# KiCad board volume-mixer.kicad_pcb (continued)
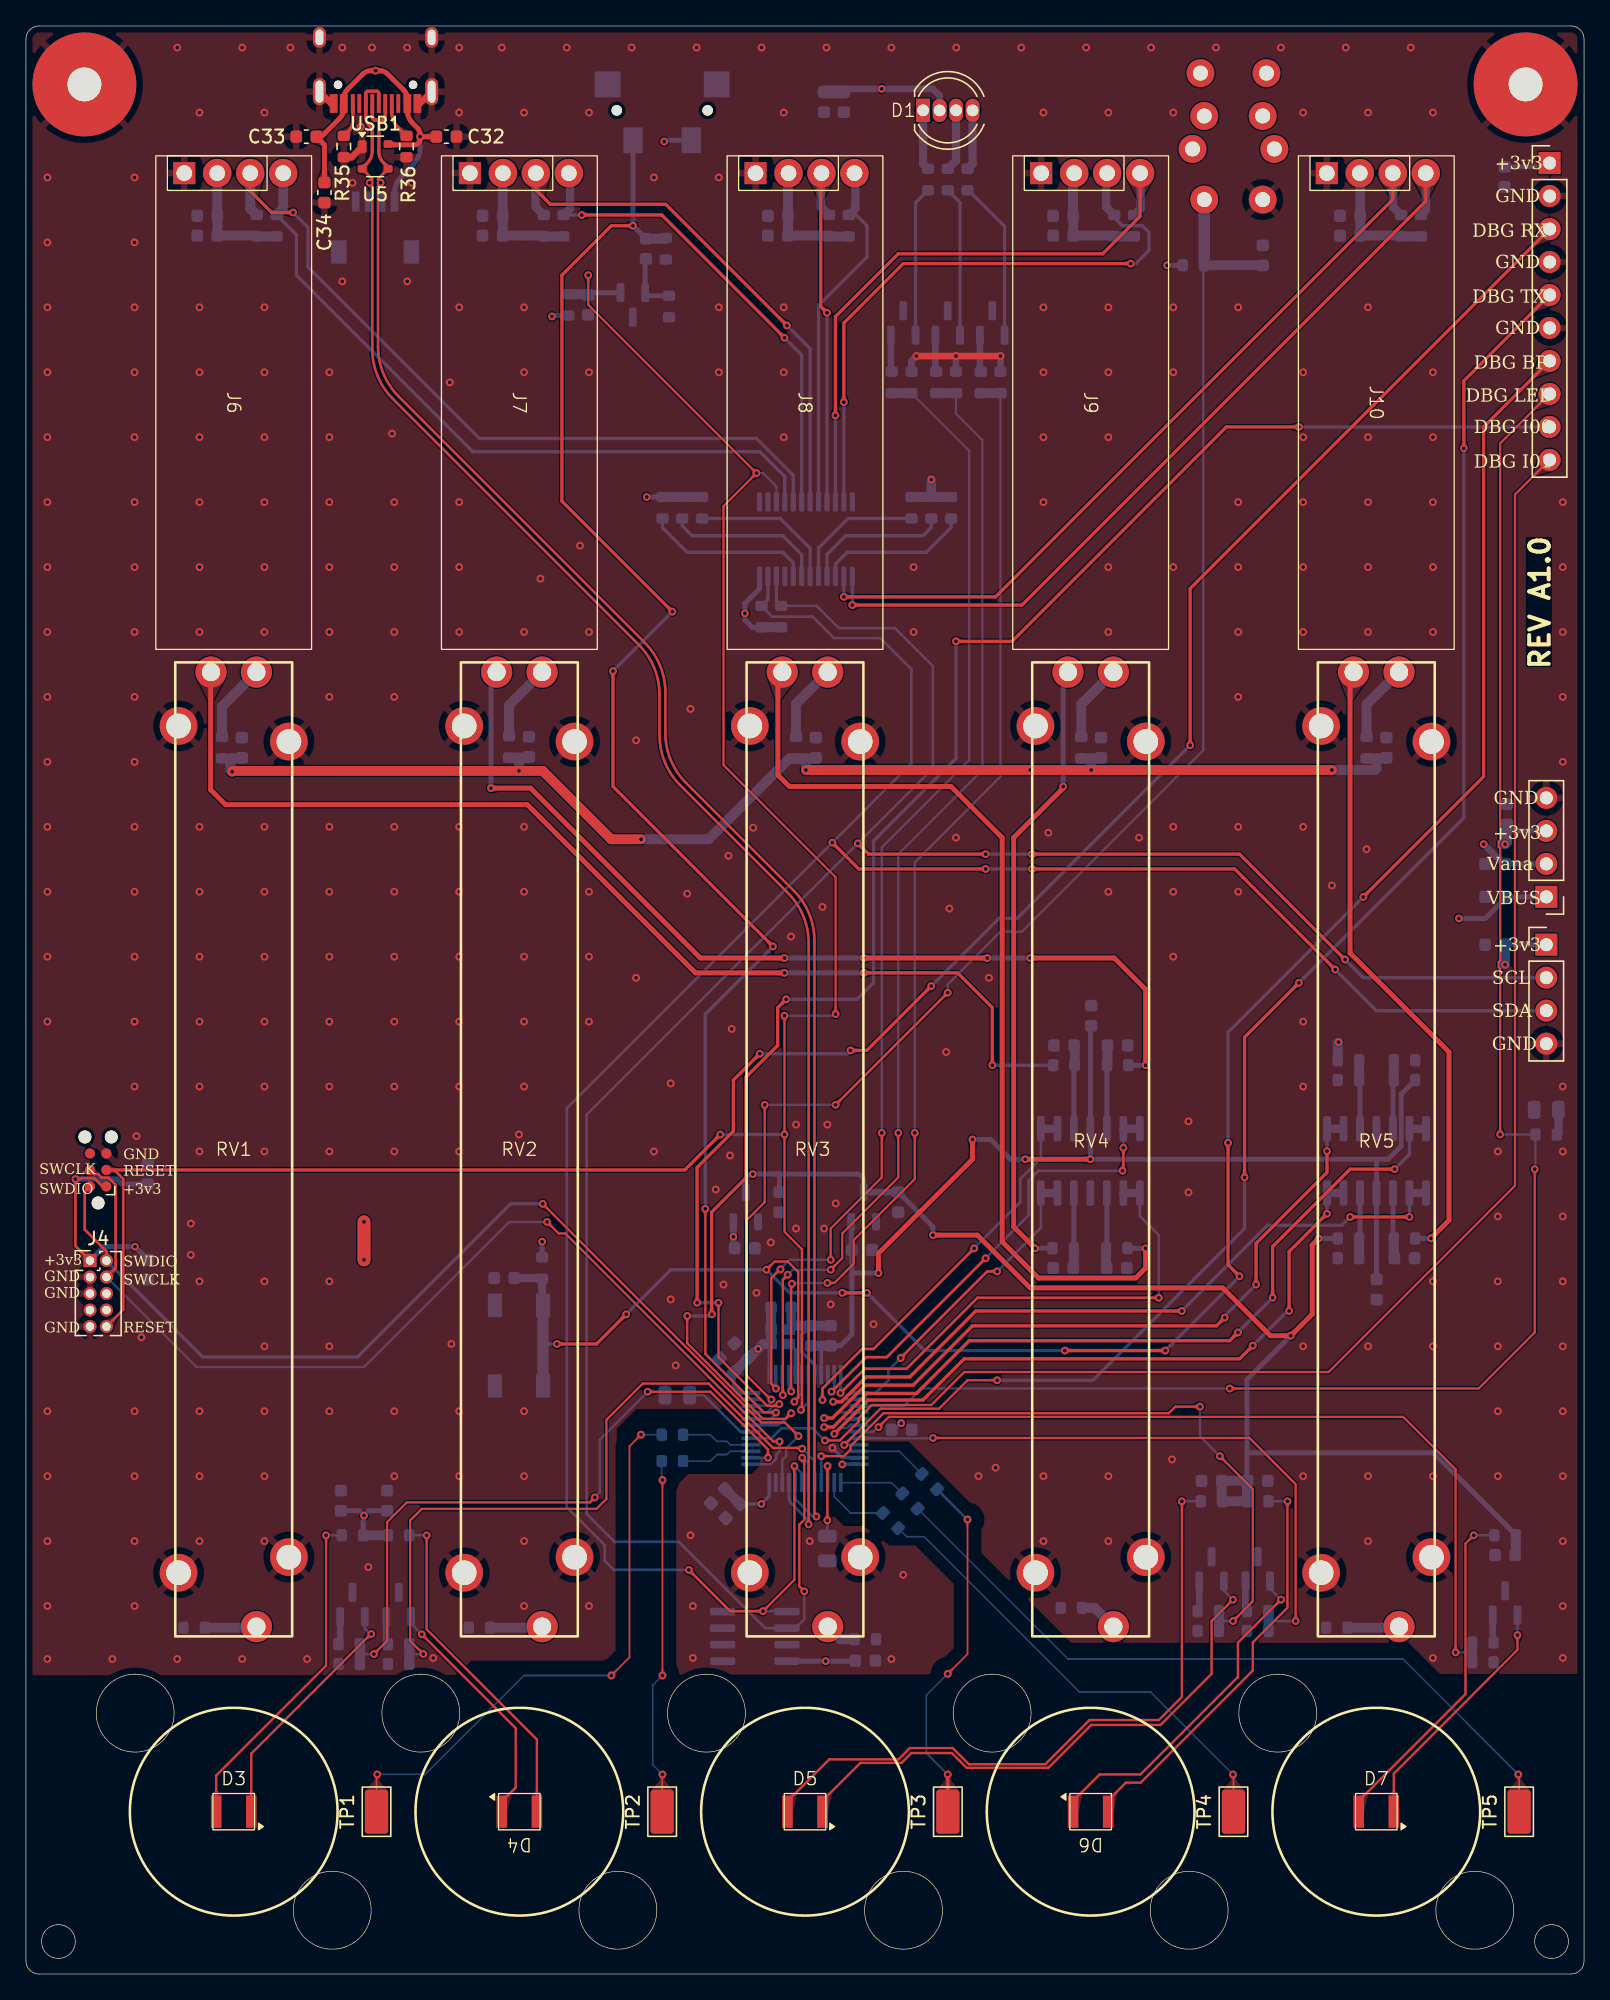
[diagram p0: board, top side]
## Footprints (pads in the part's own frame, mm; a bottom-side part is the same pattern mirrored in y, then rotated) (continued)
LED C516299
  rect 0.81x2.47 smd: 1(1.35,0) 2(-1.35,0)
led rgb C7371893
  oval 1.07x1.8 hole 0.9: 1(-0.635,0) 3(0.635,0) 4(1.905,0)
  rect 1.07x1.8 hole 0.9: 2(-1.905,0)
LED_0805_2012Metric
  rrect 0.975x1.4 smd: 1(-0.938,0) 2(0.938,0)
LQFP-48_7x7mm_P0.5mm
  rrect 1.475x0.3 smd: 1(-4.162,2.75) 2(-4.162,2.25) 3(-4.162,1.75) 4(-4.162,1.25) 5(-4.162,0.75) 6(-4.162,0.25) 7(-4.162,-0.25) 8(-4.162,-0.75) 9(-4.162,-1.25) 10(-4.162,-1.75) 11(-4.162,-2.25) 12(-4.162,-2.75) 25(4.162,-2.75) 26(4.162,-2.25) 27(4.162,-1.75) 28(4.162,-1.25) 29(4.162,-0.75) 30(4.162,-0.25) 31(4.162,0.25) 32(4.162,0.75) 33(4.162,1.25) 34(4.162,1.75) 35(4.162,2.25) 36(4.162,2.75)
  rrect 0.3x1.475 smd: 13(-2.75,-4.162) 14(-2.25,-4.162) 15(-1.75,-4.162) 16(-1.25,-4.162) 17(-0.75,-4.162) 18(-0.25,-4.162) 19(0.25,-4.162) 20(0.75,-4.162) 21(1.25,-4.162) 22(1.75,-4.162) 23(2.25,-4.162) 24(2.75,-4.162) 37(2.75,4.162) 38(2.25,4.162) 39(1.75,4.162) 40(1.25,4.162) 41(0.75,4.162) 42(0.25,4.162) 43(-0.25,4.162) 44(-0.75,4.162) 45(-1.25,4.162) 46(-1.75,4.162) 47(-2.25,4.162) 48(-2.75,4.162)
PinHeader_1x04_P2.54mm_Vertical
  rect 1.7x1.7 hole 1: 1(0,0)
  oval 1.7x1.7 hole 1: 2(0,-2.54) 3(0,-5.08) 4(0,-7.62)
PinHeader_1x10_P2.54mm_Vertical
  rect 1.7x1.7 hole 1: 1(0,0)
  oval 1.7x1.7 hole 1: 2(0,-2.54) 3(0,-5.08) 4(0,-7.62) 5(0,-10.16) 6(0,-12.7) 7(0,-15.24) 8(0,-17.78) 9(0,-20.32) 10(0,-22.86)
PinHeader_2x05_P1.27mm_Vertical
  rect 1x1 hole 0.65: 1(0,0)
  oval 1x1 hole 0.65: 2(1.27,0) 3(0,-1.27) 4(1.27,-1.27) 5(0,-2.54) 6(1.27,-2.54) 7(0,-3.81) 8(1.27,-3.81) 9(0,-5.08) 10(1.27,-5.08)
R_0603_1608Metric
  rrect 0.8x0.95 smd: 1(-0.825,0) 2(0.825,0)
Screen 0.91 I2C
  rect 1.7x1.7 hole 1.2: 1(0,-3.81)
  round 2.2 hole 1.2: 2(0,-1.27) 3(0,1.27) 4(0,3.81)
Slider Bourns PTA6043-2015CPB103
  round 2.4 hole 1.4: 1(-36.75,1.75) 2(-36.75,-1.75) 3(36.75,1.75)
  round 2.9 hole 1.9: M(-32.6,-4.25) M(-31.4,4.25) M(31.4,4.25) M(32.6,-4.25)
SOIC-8_3.9x4.9mm_P1.27mm
  rrect 1.95x0.6 smd: 1(-2.475,1.905) 2(-2.475,0.635) 3(-2.475,-0.635) 4(-2.475,-1.905) 5(2.475,-1.905) 6(2.475,-0.635) 7(2.475,0.635) 8(2.475,1.905)
SOIC-14_3.9x8.7mm_P1.27mm
  rrect 1.95x0.6 smd: 1(-2.475,3.81) 2(-2.475,2.54) 3(-2.475,1.27) 4(-2.475,0) 5(-2.475,-1.27) 6(-2.475,-2.54) 7(-2.475,-3.81) 8(2.475,-3.81) 9(2.475,-2.54) 10(2.475,-1.27) 11(2.475,0) 12(2.475,1.27) 13(2.475,2.54) 14(2.475,3.81)
SOT-23
  rrect 1.475x0.6 smd: 1(-0.938,0.95) 2(-0.938,-0.95) 3(0.938,0)
SOT-23-3
  rrect 1.325x0.6 smd: 1(-1.137,0.95) 2(-1.137,-0.95) 3(1.137,0)
SOT-143
  rrect 0.7x1 smd: 1(-1,0.75)
  rrect 0.7x0.6 smd: 2(-1,-0.95) 3(1,-0.95) 4(1,0.95)
SW_SPST_SKQG_WithStem
  rect 1.8x1.1 smd: 1(-3.1,1.85) 1(3.1,1.85) 2(-3.1,-1.85) 2(3.1,-1.85)
switch C501547
  round 0.8 hole 0.85 unplated: (-3.5,0) (3.5,0)
  rect 1.5x2 smd: 1(-2.25,2.3) 2(2.25,2.3)
  rect 2x2 smd: 3(-4.2,-2) 3(4.2,-2)
switch led C2848638
  round 2.15 hole 1.15: 1(-2.25,-1.57) 2(-2.25,4.87) 3(2.25,-1.57) 4(2.25,4.87) 5(-3.15,0.97) 6(3.15,0.97) 7(-2.54,-4.87) 8(2.54,-4.87)
Tag-Connect_TC2030-IDC-NL_2x03_P1.27mm_Vertical
  round 0.991 hole 0.991 unplated: (-2.54,0) (2.54,1.016) (2.54,-1.016)
  round 0.787 smd: 1(-1.27,-0.635) 2(-1.27,0.635) 3(0,-0.635) 4(0,0.635) 5(1.27,-0.635) 6(1.27,0.635)
TestPoint_Keystone_5015_Micro_Mini
  rrect 3.4x1.8 smd: 1(0,0)
TSSOP-24_4.4x7.8mm_P0.65mm
  rrect 1.475x0.4 smd: 1(-2.862,3.575) 2(-2.862,2.925) 3(-2.862,2.275) 4(-2.862,1.625) 5(-2.862,0.975) 6(-2.862,0.325) 7(-2.862,-0.325) 8(-2.862,-0.975) 9(-2.862,-1.625) 10(-2.862,-2.275) 11(-2.862,-2.925) 12(-2.862,-3.575) 13(2.862,-3.575) 14(2.862,-2.925) 15(2.862,-2.275) 16(2.862,-1.625) 17(2.862,-0.975) 18(2.862,-0.325) 19(2.862,0.325) 20(2.862,0.975) 21(2.862,1.625) 22(2.862,2.275) 23(2.862,2.925) 24(2.862,3.575)
Vis M2.5
  round 8 hole 2.6: 1(0,0)

## Nets
+3V3: C8.1 C9.1 C10.1 C11.1 C12.1 C15.1 C19.1 C20.1 C21.1 C26.1 C27.1 C29.1 C35.1 C36.1 C37.1 C38.1 C39.1 C40.1 C41.1 C42.1 C43.1 C44.1 C45.2 CON1.1 J1.3 J2.1 J3.1 J4.1 J6.2 J7.2 J8.2 J9.2 J10.2 R26.1 R27.1 R37.1 R38.1 R39.1 R40.1 R41.1 R42.1 R43.1 R44.1 R45.1 R46.1 R47.1 R48.1 R49.1 R50.1 R51.1 R52.1 R53.1 R54.1 R55.1 R65.1 SW1.2 U1.1 U1.24 U1.36 U1.48 U2.8 U3.2 U6.24 Y1.1 Y1.4
GND: C1.2 C2.2 C3.2 C4.2 C5.2 C6.2 C7.2 C8.2 C9.2 C10.2 C11.2 C12.2 C13.2 C14.2 C15.2 C16.2 C17.2 C18.2 C19.2 C20.2 C21.2 C22.2 C24.2 C25.2 C26.2 C27.2 C28.2 C29.2 C30.2 C31.2 C32.2 C33.2 C34.2 C35.2 C36.2 C37.2 C38.2 C39.2 C40.2 C41.2 C42.2 C43.2 C44.2 C45.1 C46.2 C47.2 C48.2 C49.2 C50.2 C51.2 C52.2 C53.2 C54.2 C55.2 C56.2 C57.2 C58.2 CON1.5 D2.1 H1.1 H2.1 J1.4 J2.2 J2.4 J2.6 J3.4 J4.3 J4.5 J4.9 J5.4 J6.1 J7.1 J8.1 J9.1 J10.1 Q1.3 Q2.3 Q3.3 Q4.3 Q5.3 Q6.3 Q7.3 Q8.3 Q9.3 R10.1 R12.1 R14.1 R16.1 R18.1 R23.1 R24.1 R25.1 R28.2 R29.2 R35.2 R36.2 R58.1 R61.1 R63.2 R67.2 R68.1 R70.2 R73.1 R76.1 RV1.M RV2.M RV3.M RV4.M RV5.M SW1.3 SW2.1 SW3.4 U1.8 U1.23 U1.35 U1.47 U2.1 U2.2 U2.3 U2.4 U2.7 U3.1 U4.1 U5.1 U6.1 U6.2 U6.12 U6.21 U7.11 U8.11 USB1.1 USB1.12 USB1.13 Y1.2
VBUS: C1.1 C2.1 C3.1 C4.1 C5.1 C6.1 C7.1 C16.1 C28.1 C30.1 C32.1 C33.1 C34.1 D1.1 J1.1 J5.1 R1.1 R2.1 R3.1 R4.1 R5.1 R62.1 U3.3 U4.3 U5.4 USB1.2 USB1.11
/BLUE: R22.1 R25.2 U1.4
/BOOT: C23.1 R28.1 SW1.1 U1.44
/CapSense0: C18.1 U1.42
/CapSense1: C24.1 U1.27
/GREEN: R21.1 R24.2 U1.3
/OSC-OUT: U1.5 Y1.3
/RED: R20.1 R23.2 U1.2
/RESET: C25.1 CON1.3 J4.10 Q9.1 R27.2 U1.7 U6.3
/SC0: J6.3 R41.2 U6.5
/SC1: J7.3 R43.2 U6.7
/SC2: J8.3 R45.2 U6.9
/SC3: J9.3 R47.2 U6.11
/SC4: J10.3 R49.2 U6.14
/SC5: R51.2 U6.16
/SC6: R53.2 U6.18
/SC7: R55.2 U6.20
/SCL: J3.2 R39.2 U1.30 U2.6 U6.22
/SD0: J6.4 R40.2 U6.4
/SD1: J7.4 R42.2 U6.6
/SD2: J8.4 R44.2 U6.8
/SD3: J9.4 R46.2 U6.10
/SD4: J10.4 R48.2 U6.13
/SD5: R50.2 U6.15
/SD6: R52.2 U6.17
/SD7: R54.2 U6.19
/SDA: J3.3 R38.2 U1.31 U2.5 U6.23
/SliderSense0: R30.1 TP1.1
/SliderSense1: R31.1 TP2.1
/SliderSense2: R32.1 TP3.1
/SliderSense3: R33.1 TP4.1
/SliderSense4: R34.1 TP5.1
/SWCLK: CON1.4 J4.4 U1.37
/SWDIO: CON1.2 J4.2 U1.34
D+: J5.3 U1.33 U5.2 USB1.6 USB1.8
D-: J5.2 U1.32 U5.3 USB1.5 USB1.7
DBG BP: C22.1 J2.7 R26.2 SW2.2 U1.6
DBG IO0: J2.9 U1.43
DBG IO1: J2.10 U1.41
DBG LED: J2.8 R6.2 U1.15
DBG RX: J2.3 U1.45
DBG TX: J2.5 U1.21
Mute0Led: R10.2 R11.1 U1.38
Mute1Led: R12.2 R13.1 U1.29
Mute2Led: R14.2 R15.1 U1.28
Mute3Led: R16.2 R17.1 U1.20
Mute4Led: R18.2 R19.1 U1.19
PowerOnBP: C46.1 R37.2 SW3.2 U1.46
Slider0: U1.10 U7.1 U7.2
Slider1: U1.11 U7.6 U7.7
Slider2: U1.12 U7.8 U7.9
Slider3: U1.13 U7.13 U7.14
Slider4: U1.14 U8.1 U8.2
SLIDER_0_mute : R30.2 U1.40
SLIDER_1_mute : R31.2 U1.39
SLIDER_2_mute : R32.2 U1.22
SLIDER_3_mute : R33.2 U1.26
SLIDER_4_mute : R34.2 U1.25
Vana: C13.1 C14.1 C17.1 C31.1 C47.1 C49.1 C50.1 C51.1 C53.1 C55.1 C57.1 J1.2 R56.2 R59.2 R64.2 R69.1 R71.2 R74.2 U1.9 U4.2 U7.4 U8.4
Vref ana: U1.17 U8.13 U8.14
Vref digi: U1.16 U8.8 U8.9
Vref USB: U1.18 U8.6 U8.7
Net-(D1-BK): D1.4 R9.2
Net-(D1-GK): D1.3 R8.2
Net-(D1-RK): D1.2 R7.2
Net-(D2-A): D2.2 R6.1
Net-(D3-A): D3.2 R1.2
Net-(D3-K): D3.1 Q1.1
Net-(D4-A): D4.2 R2.2
Net-(D4-K): D4.1 Q2.1
Net-(D5-A): D5.2 R3.2
Net-(D5-K): D5.1 Q3.1
Net-(D6-A): D6.2 R4.2
Net-(D6-K): D6.1 Q4.1
Net-(D7-A): D7.2 R5.2
Net-(D7-K): D7.1 Q5.1
Net-(Q1-G): Q1.2 R11.2
Net-(Q2-G): Q2.2 R13.2
Net-(Q3-G): Q3.2 R15.2
Net-(Q4-G): Q4.2 R17.2
Net-(Q5-G): Q5.2 R19.2
Net-(Q6-D): Q6.1 R7.1
Net-(Q6-G): Q6.2 R20.2
Net-(Q7-D): Q7.1 R8.1
Net-(Q7-G): Q7.2 R21.2
Net-(Q8-D): Q8.1 R9.1
Net-(Q8-G): Q8.2 R22.2
Net-(Q9-G): C23.2 Q9.2 R29.1
Net-(R56-Pad1): R56.1 RV1.1
Net-(R57-Pad1): R57.1 RV1.2
Net-(R58-Pad2): R58.2 RV1.3
Net-(R59-Pad1): R59.1 RV2.1
Net-(R60-Pad1): R60.1 RV2.2
Net-(R61-Pad2): R61.2 RV2.3
Net-(R64-Pad1): R64.1 RV3.1
Net-(R66-Pad1): R66.1 RV3.2
Net-(R68-Pad2): R68.2 RV3.3
Net-(R71-Pad1): R71.1 RV4.1
Net-(R72-Pad1): R72.1 RV4.2
Net-(R73-Pad2): R73.2 RV4.3
Net-(R74-Pad1): R74.1 RV5.1
Net-(R75-Pad1): R75.1 RV5.2
Net-(R76-Pad2): R76.2 RV5.3
Net-(U7A-+): C48.1 R57.2 U7.3
Net-(U7B-+): C52.1 R60.2 U7.5
Net-(U7C-+): C54.1 R66.2 U7.10
Net-(U7D-+): C56.1 R72.2 U7.12
Net-(U8A-+): C58.1 R75.2 U8.3
Net-(U8B-+): R62.2 R63.1 U8.5
Net-(U8C-+): R65.2 R67.1 U8.10
Net-(U8D-+): R69.2 R70.1 U8.12
Net-(USB1-CC1): R36.1 USB1.4
Net-(USB1-CC2): R35.1 USB1.10

Pads without a net: CON1 6; J4 6 7 8; SW3 1 3 5 6 7 8; USB1 3 9

## Via types
v1: diameter 0.6, hole 0.3, Top to Bottom, 525 vias

## Routing (per net, layer and track width the routed paths; a pad name or vN(x,y) marks a point on that pad's centre or on a via; arc(x,y) is an arc through that point)
+3V3: length 542.9
  Top w0.203: J4.1 3.81,56.06 v1(3.81,61.21) 4.19,61.21 4.27,61.29 5.26,61.29 5.91,60.64 CON1.1
  In2.Cu w0.381: v1(8.39,56.01) 8.78,56.39 v1(39.75,56.39) 54.1,56.39 v1(54.48,56.77) 54.48,50.04 v1(56.39,48.13) 56.39,36.45 v1(56.64,36.19) 59.82,36.19 v1(62.86,39.24) 64.9,41.28 66.17,41.28 67.3,42.41 v1(67.41,42.41)
  In2.Cu w0.762: 113.92,131.44 v1(113.92,87) v1(113.92,77.72) 107.06,77.72 v1(101.09,71.75) ; 113.92,131.44 113.92,137.8 115.57,139.45 J2.1 ; 113.92,131.44 113.79,131.57 v1(87.88,131.57) 87,131.57 80.73,137.84 J9.2 ; 51.94,108.2 47.82,112.33 v1(47.82,113.73) 40.51,121.03 v1(40.51,127.63) 34.42,133.73 ; 51.94,108.2 v1(55.37,104.78) ; 51.94,108.2 58.8,115.06 v1(69.72,115.06)
  In2.Cu w1.016: J10.2 102.73,139.69 103.89,140.84 111.66,140.84 113,139.5 115.52,139.5 115.57,139.45 ; J9.2 80.73,140 79.63,141.1 60.33,141.1 58.73,139.5 J8.2 58.73,140.03 57.66,141.1 v1(49.15,141.1) 38.61,141.1 36.73,139.22 J7.2 36.73,136.04 34.42,133.73 17.27,133.73 14.73,136.27 J6.2 ; v1(56.64,36.19) 59.03,33.8 59.03,26.66 v1(61.59,24.09) ; v1(67.41,42.41) 76.31,42.41 101.09,67.2 v1(101.09,71.75)
  Bottom w0.203: C10.1 66.91,41.91 67.41,42.41 v1(67.41,42.41)
  Bottom w0.254: U1.48 55.07,44.75 54.52,45.3 C11.1 ; 54.99,36.19 v1(56.64,36.19) 57.25,36.8 U1.36 ; U1.1 57.25,48.36 Y1.4 ; v1(62.86,39.24) 62.87,39.25 U1.24
  Bottom w0.381: J4.1 6,56.01 v1(8.39,56.01) C26.1 ; C20.1 117.06,139.16 J2.1 ; v1(47.82,113.73) R55.1 ; C21.1 63.83,24.09 v1(61.59,24.09) U2.8 ; v1(3.81,61.21) 6.98,61.21 7.37,60.83 9.36,60.83 C15.1 ; SW1.2 49.25,141.2 v1(49.15,141.1) ; 39.75,55.18 v1(39.75,56.39) ; R37.1 v1(87.88,131.57) ; R38.1 55.94,103.7 55.37,104.27 v1(55.37,104.78) 55.37,105.54 56.5,106.66 U6.24 ; v1(40.51,127.63) 40.58,127.7 R27.1 ; C27.1 J3.1 ; C19.1 114.54,88.02 J1.3
  Bottom w0.508: C29.1 54.48,55.98 v1(54.48,56.77) U3.2
  Bottom w0.762: J7.2 36.72,138.66 C37.1 C38.1 39.81,133.86 39.88,133.8 41.4,133.8 ; C19.1 114.05,87.12 v1(113.92,87) ; 85.34,133.8 83.82,133.8 83.76,133.86 C42.1 C41.1 80.64,135.4 80.64,138.59 J9.2 ; R52.1 R50.1 ; C27.1 113.93,77.74 v1(113.92,77.72) ; C9.1 54.99,36.19 ; 101.03,70.36 101.03,71.69 v1(101.09,71.75) ; R55.1 R53.1 ; 107.44,133.8 105.92,133.8 105.85,133.86 C44.1 C43.1 102.76,138.64 J10.2 ; J8.2 58.69,138.63 C39.1 C40.1 61.79,133.86 61.85,133.8 63.37,133.8 ; J6.2 14.73,135.4 C35.1 C36.1 17.72,133.86 17.78,133.8 19.3,133.8 ; 57.39,51.31 57.39,49.62 Y1.1 Y1.4 56.77,48.51 v1(56.39,48.13) 55.71,47.46 C12.1 C11.1 ; R38.1 R39.1 ; R51.1 v1(69.72,115.06)
GND: length 27.7
  Top w0.508: USB1.13 30.33,144.03 USB1.1 ; v1(68.58,124.59) v1(71.63,124.59) v1(75.06,124.59) ; R35.2 25.08,139.89 U5.1 ; USB1.12 23.52,144.03 USB1.13
  Bottom w0.254: U1.8 60.75,46.9 59.75,47.9 59.75,49.22 C14.2 ; U1.23 64.14,39.77 62.84,39.77 v1(62.1,40.51)
  Bottom w0.508: v1(75.06,124.59) R25.1 ; v1(71.63,124.59) R24.1 ; v1(68.58,124.59) 68.2,124.21 R23.1 ; 30.94,144.64 USB1.13 ; USB1.13 22.9,144.64
  Bottom w0.762: C45.1 58.94,49.75 Y1.2 59.11,49.92 C14.2 C13.2
  vias: v1(1.65,138.34) v1(1.65,133.34) v1(1.65,128.34) v1(1.65,123.34) v1(1.65,118.34) v1(1.65,113.34) v1(1.65,108.34) v1(1.65,103.34) v1(1.65,98.34) v1(1.65,93.34) v1(1.65,88.34) v1(1.65,83.34) v1(1.65,78.34) v1(1.65,73.34) v1(1.65,43.34) v1(1.65,38.34) v1(1.65,33.34) v1(1.65,28.34) v1(1.65,24.26) v1(6.65,24.26) v1(8.36,138.34) v1(8.36,133.34) v1(8.36,128.34) v1(8.36,123.34) v1(8.36,118.34) v1(8.36,113.34) v1(8.36,108.34) v1(8.36,103.34) v1(8.36,98.34) v1(8.36,93.34) v1(8.36,88.34) v1(8.36,83.34) v1(8.36,78.34) v1(8.36,73.34) v1(8.36,68.34) v1(8.36,43.34) v1(8.36,38.34) v1(8.36,33.34) v1(8.36,28.34) v1(8.51,64.52) v1(8.89,49.02) v1(11.65,148.34) v1(11.65,24.26) v1(12.7,57.78) v1(12.7,55.37) v1(13.36,143.34) v1(13.36,128.34) v1(13.36,123.34) v1(13.36,118.34) v1(13.36,113.34) v1(13.36,108.34) v1(13.36,103.34) v1(13.36,88.34) v1(13.36,83.34) v1(13.36,78.34) v1(13.36,73.34) v1(13.36,68.34) v1(13.36,63.34) v1(13.36,53.34) v1(13.36,43.34) v1(13.36,38.34) v1(13.36,33.34) v1(16.65,148.34) v1(16.65,24.26) v1(18.36,143.34) v1(18.36,128.34) v1(18.36,123.34) v1(18.36,118.34) v1(18.36,113.34) v1(18.36,108.34) v1(18.36,103.34) v1(18.36,88.34) v1(18.36,83.34) v1(18.36,78.34) v1(18.36,73.34) v1(18.36,68.34) v1(18.36,63.34) v1(18.36,53.34) v1(18.36,48.34) v1(18.36,43.34) v1(18.36,38.34) v1(18.36,33.34) v1(20.36,148.34) v1(21.65,24.26) v1(23.36,123.34) v1(23.36,118.34) v1(23.36,113.34) v1(23.36,108.34) v1(23.36,103.34) v1(23.36,98.34) v1(23.36,88.34) v1(23.36,83.34) v1(23.36,78.34) v1(23.36,73.34) v1(23.36,68.34) v1(23.36,63.34) v1(23.36,53.34) v1(23.36,48.34) v1(23.36,43.34) v1(24.36,148.34) v1(24.36,130.34) v1(25.15,137.92) v1(25.78,142.24) v1(26.36,31.34) v1(26.65,148.34) v1(28.19,118.62) v1(28.36,113.34) v1(28.36,108.34) v1(28.36,103.34) v1(28.36,98.34) v1(28.36,88.34) v1(28.36,83.34) v1(28.36,78.34) v1(28.36,73.34) v1(28.36,68.34) v1(28.36,63.34) v1(28.36,43.34) v1(28.36,38.34) v1(29.36,148.34) v1(29.36,130.34) v1(29.72,137.92) v1(31.36,24.34) v1(32.64,122.56) v1(32.77,48.51) v1(33.36,148.34) v1(33.36,143.34) v1(33.36,128.34) v1(33.36,113.34) v1(33.36,108.34) v1(33.36,103.34) v1(33.36,88.34) v1(33.36,83.34) v1(33.36,78.34) v1(33.36,73.34) v1(33.36,68.34) v1(33.36,63.34) v1(33.36,43.34) v1(33.36,38.34) v1(36.65,148.34) v1(37.97,64.64) v1(38.36,143.34) v1(38.36,128.34) v1(38.36,123.34) v1(38.36,103.34) v1(38.36,88.34) v1(38.36,83.34) v1(38.36,78.34) v1(38.36,73.34) v1(38.36,68.34) v1(38.36,43.34) v1(38.36,38.34) v1(38.36,33.34) v1(38.36,28.34) v1(39.62,107.44) v1(41.65,148.34) v1(42.67,109.98) v1(43.36,143.34) v1(43.36,123.34) v1(43.36,103.34) v1(43.36,83.34) v1(43.36,78.34) v1(43.36,73.34) v1(43.36,28.34) v1(46.65,148.34) v1(46.99,95) v1(46.99,76.71) v1(48.36,138.34) v1(48.36,63.34) v1(49.66,68.58) v1(49.66,51.94) v1(50.04,46.86) v1(50.93,83.19) v1(51.18,97.41) v1(51.18,33.78) v1(51.36,28.34) v1(51.36,24.34) v1(51.65,148.34) v1(53.13,60.41) v1(53.36,138.34) v1(53.36,128.34) v1(53.36,123.34) v1(53.72,53.09) v1(54.1,86.11) v1(54.22,63.03) v1(54.36,72.77) v1(56.01,88.27) v1(56.26,52.45) v1(56.65,148.34) v1(57.36,56.34) v1(58.36,143.34) v1(58.36,128.34) v1(58.36,123.34) v1(58.36,118.34) v1(58.93,79.88) v1(59.31,65.41) v1(59.31,57.4) v1(60.36,33.34) v1(61.34,82.17) v1(61.47,57.4) v1(61.65,148.34) v1(61.72,65.41) v1(61.98,51.56) v1(62.36,59.34) v1(65.28,50.04) v1(66.65,148.34) v1(66.65,24.26) v1(67.56,30.73) v1(68.36,108.34) v1(68.36,103.34) v1(70.87,70.99) v1(71.12,82.04) v1(71.63,87.5) v1(71.65,148.34) v1(73.36,38.34) v1(74.17,76.71) v1(74.68,38.99) v1(76.65,148.34) v1(78.36,143.34) v1(78.36,128.34) v1(78.36,123.34) v1(78.36,118.34) v1(78.36,113.34) v1(78.36,38.34) v1(78.36,33.34) v1(78.74,87.88) v1(81.65,148.34) v1(83.36,143.34) v1(83.36,128.34) v1(83.36,123.34) v1(83.36,118.34) v1(83.36,108.34) v1(83.36,103.34) v1(83.36,83.34) v1(83.36,38.34) v1(83.36,33.34) v1(85.72,87.5) v1(86.65,148.34) v1(88.26,39.62) v1(88.36,143.34) v1(88.36,128.34) v1(88.36,123.34) v1(88.36,108.34) v1(88.36,88.34) v1(88.36,83.34) v1(88.36,78.34) v1(89.53,65.66) v1(89.53,60.2) v1(91.65,148.34) v1(93.36,128.34) v1(93.36,113.34) v1(93.36,108.34) v1(93.36,103.34) v1(93.36,98.34) v1(93.36,88.34) v1(93.36,83.34) v1(96.65,148.34) v1(98.36,143.34) v1(98.36,123.34) v1(98.36,118.34) v1(98.36,113.34) v1(98.36,108.34) v1(98.36,103.34) v1(98.36,88.34) v1(98.36,73.34) v1(98.36,68.34) v1(98.36,48.34) v1(98.36,38.34) v1(100.58,83.82) v1(101.65,148.34) v1(103.25,86.61) v1(103.36,143.34) v1(103.36,128.34) v1(103.36,118.34) v1(103.36,113.34) v1(103.36,108.34) v1(103.36,103.34) v1(103.36,48.34) v1(103.36,38.34) v1(103.36,33.34) v1(106.65,148.34) v1(108.36,143.34) v1(108.36,123.34) v1(108.36,118.34) v1(108.36,113.34) v1(108.36,108.34) v1(108.36,103.34) v1(108.36,53.34) v1(108.36,48.34) v1(108.36,38.34) v1(108.36,24.34) v1(113.36,63.34) v1(113.36,58.34) v1(113.36,53.34) v1(113.36,48.34) v1(113.36,43.34) v1(113.36,38.34) v1(118.36,113.34) v1(118.36,108.34) v1(118.36,103.34) v1(118.36,98.34) v1(118.36,93.34) v1(118.36,68.34) v1(118.36,63.34) v1(118.36,58.34) v1(118.36,53.34) v1(118.36,48.34) v1(118.36,43.34) v1(118.36,38.34) v1(118.36,33.34) v1(118.36,28.34) v1(118.36,24.34)
VBUS: length 448.4
  Top w0.381: v1(30.35,141.48) 30.35,141.71 arc(30.31,141.92) 30.19,142.11 29.77,142.53 arc(29.48,142.96) 29.37,143.47 USB1.2 29.37,144.41 arc(29.3,144.76) 29.11,145.05 27.84,146.32 arc(27.58,146.5) 27.26,146.56 v1(26.92,146.56) 26.56,146.56 arc(26.23,146.49) 25.95,146.3 24.76,145.11 arc(24.55,144.8) 24.47,144.43 USB1.11 24.47,143.61 arc(24.4,143.23) 24.18,142.9 22.9,141.62 arc(22.74,141.51) 22.56,141.48 22.36,141.48 22.99,140.86 C34.1 ; v1(30.35,141.48) C32.1 ; v1(30.35,141.48) 30.35,141.27 arc(30.32,141.11) 30.23,140.97 arc(30.09,140.88) 29.93,140.85 27.99,140.85 arc(27.95,140.86) 27.92,140.88 U5.4 ; v1(99.57,56.64) 99.06,56.13 99.06,50.8 v1(97.41,49.15) 95.85,49.15 92.17,52.83 77.34,52.83 73.28,56.9 v1(69.85,56.9)
  Top w1.016: v1(26.03,54.99) v1(26.03,57.91)
  In2.Cu w0.508: v1(26.92,146.56) 64.52,146.56 v1(65.91,145.16)
  In2.Cu w1.016: v1(26.92,146.56) 26.42,147.07 14.57,147.07 5.46,137.96 5.46,72.64 2.03,69.22 2.03,48.64 4.32,46.35 11.94,46.35 22.99,35.31 v1(26.03,35.31) v1(26.03,54.99) ; v1(69.85,56.9) 69.85,57.28 93.85,81.28 v1(110.36,81.28) ; v1(55.98,61.59) 29.72,61.59 v1(26.03,57.91)
  Bottom w0.381: R5.1 114.74,33.81 108.43,40.13 94.04,40.13 ; 58.04,61.53 C28.1 ; 58.04,61.53 arc(58.02,61.58) 57.98,61.59 ; 58.04,61.53 arc(58.06,61.58) 58.1,61.59 ; U4.3 64.52,61.05 arc(64.47,61.26) 64.36,61.44 arc(64.18,61.55) 63.97,61.59 58.1,61.59 ; J5.1 28.39,137.17 arc(28.52,137.81) 28.88,138.36 29.77,139.24 arc(30.2,139.89) 30.35,140.65 v1(30.35,141.48) ; J1.1 C16.1 113.93,82.82 112.39,81.28 v1(110.36,81.28) ; C6.1 94.04,38.02 94.04,45.78 v1(97.41,49.15) ; R1.1 25.97,35.2 arc(25.98,35.24) 26,35.27 v1(26.03,35.31) ; 57.98,61.59 v1(55.98,61.59) arc(55.77,61.55) 55.59,61.44 arc(55.47,61.26) 55.43,61.05 U3.3 ; 57.98,61.59 58.1,61.59 ; v1(26.03,35.31) 26.4,35.67 C4.1 ; v1(26.03,35.31) 25.67,35.67 C3.1 ; C30.1 69.85,57.54 v1(69.85,56.9) ; v1(99.57,56.64) 101.03,56.64
  Bottom w0.508: U4.3 64.53,60.21 C30.1 ; D1.1 70.36,144.65 69.85,145.16 v1(65.91,145.16) 63.23,145.16 C1.1
  Bottom w0.762: C7.1 114.74,32.31 R5.1 ; R1.1 R2.1 ; R4.1 94.04,37.92 C6.1 C5.1 92.09,36.45 R3.1 R4.1
  Bottom w1.016: C2.1 C1.1
/BLUE: length 88.3
  Top w0.178: v1(58.99,53.15) 58.93,53.09 58.93,44.87 v1(58.93,44.86) ; v1(68.45,64.77) 68.45,61.21 63.75,56.52 63.75,54.71 62.26,53.21 v1(61.72,53.21)
  Bottom w0.178: v1(61.72,53.21) 59.05,53.21 v1(58.99,53.15) ; v1(58.93,44.86) 58.75,45.04 U1.4 ; R25.2 75.06,92.2 68.45,85.6 v1(68.45,64.77)
  Bottom w0.762: R22.1 R25.2
/BOOT: length 121.8
  Top w0.178: v1(52.32,58.93) 52.32,47.75 56.83,43.25 57.75,43.25 v1(57.77,43.23)
  Top w0.254: v1(45.21,100.33) 45.21,91.44 v1(57.53,79.12) ; v1(49.78,104.9) 41.27,113.41 41.27,130.81 45.08,134.62 v1(46.75,134.62)
  Bottom w0.178: v1(57.77,43.23) 57.77,43.16 57.36,42.75 U1.44
  Bottom w0.254: v1(57.53,79.12) 52.32,73.91 v1(52.32,58.93) ; v1(49.78,104.9) v1(45.21,100.33)
  Bottom w0.381: C23.1 v1(46.75,134.62) SW1.1
  Bottom w0.762: R28.1 49.23,133.62 C23.1
/CapSense0: length 5.9
  Bottom w0.2: C18.1 52.2,44.58 55.02,41.75 U1.42
/CapSense1: length 6.9
  Top w0.178: v1(61.72,34.93) 61.72,39.1 v1(61.74,39.12)
  Bottom w0.178: U1.27 61.75,39.1 v1(61.74,39.12) ; 61.72,33.67 61.85,33.54
  Bottom w0.2: v1(61.72,34.93) C24.1
/GREEN: length 89.2
  Top w0.178: v1(67.18,64.77) 67.18,61.34 62.86,57.02 62.86,55.12 v1(61.98,54.23) ; v1(58.29,44.58) 58.29,53.47 v1(58.67,53.85)
  Bottom w0.178: v1(67.18,64.77) 67.18,86.23 73.66,92.71 73.66,118.11 71.63,120.14 R24.2 ; v1(61.98,54.23) 59.05,54.23 v1(58.67,53.85) ; v1(58.29,44.58) 58.25,44.62 U1.3
  Bottom w0.762: R21.1 R24.2
/OSC-OUT: length 2.5
  Bottom w0.254: Y1.3 59.25,48.06 U1.5
/RED: length 89.4
  Top w0.178: v1(58.11,54.27) 58.08,54.27 57.4,53.59 57.4,45.44 v1(57.76,45.09) ; v1(61.98,54.99) 61.98,57.4 65.91,61.34 v1(65.91,64.77)
  Bottom w0.178: U1.2 57.75,45.3 57.76,45.29 v1(57.76,45.09) ; v1(61.98,54.99) 58.8,54.99 58.11,54.3 v1(58.11,54.27) ; v1(65.91,64.77) 65.91,86.74 72.64,93.47 72.64,117.28 R23.2
  Bottom w0.762: R20.1 R23.2
/RESET: length 180.4
  Top w0.178: v1(59.69,43.43) 59.76,43.5 59.76,55.81 58.42,57.15 v1(58.42,64.64) v1(58.42,73.79) ; v1(43.31,130.81) 43.31,128.52 v1(56.26,115.57) 53.72,113.03 53.72,93.09 62.36,84.45 v1(62.36,73.91)
  Top w0.203: CON1.3 6.79,61.91 7.49,61.21 7.49,51.15 J4.10
  Top w0.254: CON1.3 50.74,61.91 v1(53.47,64.64)
  Bottom w0.178: U6.3 57.8,114.54 56.77,115.57 v1(56.26,115.57) ; v1(62.36,73.91) 62.23,73.79 v1(58.42,73.79) ; v1(43.31,130.81) C25.1
  Bottom w0.203: v1(59.69,43.43) 60.25,43.99 U1.7
  Bottom w0.254: v1(58.42,64.64) v1(53.47,64.64)
  Bottom w0.381: C25.1 43.47,129.46 Q9.1
  Bottom w0.762: 41.78,129.35 43.26,129.35 C25.1
/SC0: length 59.5
  Top w0.254: J6.3 17.27,137.29 18.92,135.64 v1(20.57,135.64)
  Bottom w0.254: v1(20.57,135.64) 21.72,134.49 21.72,131.44 34.92,118.24 56.26,118.24 59.1,115.4 U6.5
  Bottom w0.762: R41.2 17.27,135.95 J6.3
/SC1: length 42.8
  Top w0.254: v1(58.61,126.94) 49.28,136.27 40.39,136.27 39.27,137.39 J7.3
  Bottom w0.254: U6.7 60.4,125.15 v1(58.61,126.94)
  Bottom w0.635: R43.2 39.24,136.08 39.24,138.64 J7.3
/SC2: length 30.3
  Top w0.254: 61.72,138.22 J8.3 61.21,138.61 61.21,128.4 v1(61.7,127.91) 61.72,127.94
  Bottom w0.254: v1(61.7,127.91) U6.9 ; J8.3 61.7,138.24
  Bottom w0.635: J8.3 61.21,138.61 61.21,136.08 R45.2
/SC3: length 47.8
  Top w0.254: v1(85.09,131.7) 67.56,131.7 62.99,127.13 v1(62.99,121.03)
  Bottom w0.254: R47.2 83.82,135.25 84.45,134.62 85.98,134.62 86.49,134.12 86.49,132.72 85.47,131.7 v1(85.09,131.7) ; U6.11 63,121.03 v1(62.99,121.03)
  Bottom w0.635: R47.2 83.18,136.08 83.18,138.59 J9.3
/SC4: length 62.1
  Top w0.254: v1(62.99,106.05) 74.68,106.05 105.27,136.64 J10.3
  Bottom w0.254: v1(62.99,106.05) 62.99,107.62 U6.14
  Bottom w0.635: J10.3 105.28,138.66 105.28,136.08 R49.2
/SC5: length 11.3
  Bottom w0.254: U6.16 61.7,109.32 63.12,110.74 69.09,110.74 69.72,111.38 R51.2
/SC6: length 11.4
  Bottom w0.254: U6.18 60.4,109.78 58.1,112.08 R53.2
/SC7: length 12.9
  Bottom w0.254: R55.2 49.02,111.38 50.93,109.47 58.29,109.47 59.1,108.67 U6.20
/SCL: length 185.3
  Top w0.178: v1(59.78,39.75) 59.94,39.59 59.94,34.98 59.56,34.6 59.56,29.84 v1(59.94,29.46)
  Top w0.254: v1(101.6,78.11) 93.47,86.23 v1(77.47,86.23) ; v1(73.91,86.23) 64.9,86.23 v1(64.07,87.06)
  Bottom w0.178: v1(59.94,29.46) 59.94,27.31 59.27,26.63 U2.6 ; v1(59.78,39.75) 59.82,39.75 60.25,39.32 U1.30
  Bottom w0.203: U2.6 56.93,26.63 50.29,33.27 45.34,33.27 43.18,35.43 43.18,66.17 v1(64.07,87.06) 69.85,92.84 69.85,100.71 66.93,103.63 62.61,103.63 60.9,105.35 R39.2
  Bottom w0.254: U6.22 57.8,105.72 R39.2 ; v1(77.47,86.23) v1(73.91,86.23) ; J3.2 102.99,76.72 v1(101.6,78.11)
/SD0: length 54.7
  Bottom w0.254: U6.4 58.45,115.29 56.51,117.22 34.42,117.22 20.83,130.81 20.83,133.92 R40.2
  Bottom w0.762: R40.2 19.81,135.95 J6.4
/SD1: length 37.6
  Top w0.254: v1(42.8,135.44) 48.96,135.44 v1(58.42,125.98)
  Bottom w0.254: U6.6 59.75,124.66 v1(58.42,125.98) ; R42.2 v1(42.8,135.44)
  Bottom w0.635: J7.4 41.91,138.57 41.91,135.95 R42.2
/SD2: length 28
  Bottom w0.254: U6.8 61.05,128.48 64.77,132.21 64.77,134.62 63.94,135.44 R44.2
  Bottom w0.635: J8.4 63.88,138.6 63.88,135.95 R44.2
/SD3: length 47.7
  Top w0.254: v1(62.35,120) 62.35,127.62 67.18,132.46 82.93,132.46 85.81,135.34 J9.4
  Bottom w0.254: v1(62.35,120) U6.10
  Bottom w0.635: J9.4 85.85,138.63 85.85,135.95 R46.2
/SD4: length 64.8
  Top w0.254: J10.4 107.81,136.51 76.71,105.41 v1(63.65,105.41)
  Bottom w0.254: v1(63.65,105.41) U6.13
  Bottom w0.635: R48.2 107.82,135.83 107.82,138.66 J10.4
/SD5: length 11.7
  Bottom w0.254: U6.15 62.35,108.57 63.25,109.47 69.34,109.47 71.25,111.38 R50.2
/SD6: length 10.3
  Bottom w0.254: R52.2 63.31,112.08 61.05,109.81 U6.17
/SD7: length 12.4
  Bottom w0.254: R54.2 50.55,111.51 51.31,110.74 58.29,110.74 59.75,109.29 U6.19
/SDA: length 186.6
  Top w0.178: v1(56.77,27.94) 59.18,30.35 v1(59.18,39.12)
  Top w0.203: v1(51.05,31.12) 54.23,27.94 v1(56.77,27.94)
  Top w0.254: v1(62.1,87.12) 64.13,85.09 v1(73.91,85.09) ; v1(77.47,85.09) 93.09,85.09 v1(100.84,77.34)
  Bottom w0.178: U2.5 58.57,27.94 v1(56.77,27.94) ; v1(59.18,39.12) 59.75,38.55 U1.31
  Bottom w0.203: v1(51.05,31.12) 45.28,31.12 44.58,31.81 44.58,33.02 41.66,35.94 41.66,66.67 v1(62.1,87.12) 68.2,93.22 68.2,100.46 65.79,102.87 62.23,102.87 60.58,104.52 57.47,104.52 R38.2
  Bottom w0.254: v1(77.47,85.09) v1(73.91,85.09) ; v1(100.84,77.34) 104,74.18 J3.3 ; U6.23 57.15,105.85 R38.2
/SliderSense0: length 45.2
  Top w0.127: v1(45.08,22.99) 46.48,24.38 46.48,40.64 v1(47.37,41.53) ; TP1.1 27,15.32 v1(27.05,15.37)
  Bottom w0.127: v1(45.08,22.99) 38.35,22.99 30.73,15.37 v1(27.05,15.37) ; v1(47.37,41.53) R30.1
/SliderSense1: length 27.8
  Top w0.127: TP2.1 49,15.34 v1(49.02,15.37) ; v1(49.02,38.04) v1(49.02,22.99)
  Bottom w0.127: v1(49.02,22.99) 48.26,22.23 48.26,16.13 v1(49.02,15.37) ; v1(49.02,38.04) 48.96,38.1 R31.1
  Bottom w0.254: 49.02,39.67 48.96,39.67 ; 49.02,39.43 R31.1
/SliderSense2: length 27.8
  Top w0.127: v1(72.52,35) 72.52,24.64 v1(70.99,23.11)
  Top w0.254: TP3.1 71,15.36 v1(70.99,15.37)
  Bottom w0.127: v1(70.99,23.11) 69.34,21.46 69.34,17.02 v1(70.99,15.37)
  Bottom w0.2: v1(72.52,35) 72.5,35 R32.1
/SliderSense3: length 36.5
  Top w0.127: TP4.1 93,15.33 v1(92.96,15.37)
  Bottom w0.127: R33.1 67.82,33.68 69.18,33.68 81.14,21.72 86.61,21.72 v1(92.96,15.37)
/SliderSense4: length 58.2
  Top w0.127: TP5.1 115,15.3 v1(114.93,15.37)
  Bottom w0.127: R34.1 80.24,24.26 106.04,24.26 v1(114.93,15.37) ; 68.83,35.69 68.45,36.07
/SWCLK: length 79.7
  Top w0.178: v1(58.04,41) 57.56,41 41.54,57.02 41.02,57.02 v1(40.13,57.91)
  Top w0.203: J4.4 6.9,54.37 6.9,60.77 6.36,61.32 5.84,61.32 5.56,61.59 5.24,61.59 CON1.4
  Bottom w0.178: J4.4 13.13,46.74 26.03,46.74 37.2,57.9 40.12,57.9 v1(40.13,57.91) ; U1.37 57.34,39.25 57.78,39.69 57.78,40 58.04,40.25 v1(58.04,41)
/SWDIO: length 79.3
  Top w0.178: v1(59.5,41.42) 58.45,42.47 56.64,42.47 v1(39.8,59.31)
  Top w0.203: CON1.2 4.53,60.25 4.53,57.32 6.2,55.64 J4.2
  Bottom w0.178: v1(59.5,41.42) 58.55,40.47 58.55,39.88 58.25,39.58 U1.34
  Bottom w0.254: v1(39.8,59.31) 37.34,59.31 25.54,47.51 13.62,47.51 J4.2
D+: length 131.5
  Top w0.2: v1(60.28,34.62) 60.28,79.39 arc(59.86,81.47) 58.68,83.24 50.39,91.53 arc(49.21,93.3) 48.8,95.38 48.8,98.49 arc(48.38,100.57) 47.2,102.34 28.26,121.28 arc(27.08,123.05) 26.67,125.13 26.67,137.59 arc(26.64,137.72) 26.57,137.83 v1(26.47,137.93) 26.63,138.1 arc(26.66,138.14) 26.67,138.18 arc(26.66,138.23) 26.63,138.26 25.91,138.99
  Top w0.254: USB1.6 27.17,144.86 27.05,144.98 26.3,144.98 26.17,144.86 USB1.8 26.17,142.96 arc(26.24,142.64) 26.42,142.36 arc(26.61,142.09) 26.67,141.76 26.67,140.38 arc(26.57,139.87) 26.28,139.44 25.91,139.07 arc(25.9,139.05) 25.89,139.03 arc(25.9,139.01) 25.91,138.99
  Bottom w0.2: v1(60.28,34.62) 60.28,34.77 arc(60.25,34.9) 60.18,35.01 58.88,36.31 arc(58.8,36.42) 58.77,36.56 58.77,36.69 arc(58.77,36.7) 58.76,36.72 arc(58.75,36.73) 58.75,36.75 U1.33 58.77,37.81 ; J5.3 26.39,136.75 arc(26.43,136.93) 26.53,137.09 arc(26.63,137.24) 26.67,137.42 26.67,137.59 arc(26.64,137.72) 26.57,137.83 v1(26.47,137.93)
D-: length 130.1
  Top w0.2: 27.85,138.96 27.15,138.26 arc(27.13,138.23) 27.12,138.18 arc(27.13,138.14) 27.15,138.1 v1(27.32,137.93) 27.22,137.83 arc(27.14,137.72) 27.12,137.59 27.12,125.31 arc(27.53,123.23) 28.71,121.47 47.65,102.52 arc(48.83,100.76) 49.25,98.68 49.25,95.57 arc(49.66,93.48) 50.84,91.72 59.13,83.42 arc(60.31,81.66) 60.73,79.58 60.73,35.48 arc(60.75,35.38) 60.8,35.3 v1(60.88,35.23)
  Top w0.254: 27.37,142.75 27.49,142.75 arc(27.56,142.76) 27.62,142.8 arc(27.66,142.86) 27.67,142.93 USB1.5 ; 27.37,142.75 26.99,142.75 ; 27.37,142.75 arc(27.23,142.69) 27.18,142.56 ; 26.99,142.75 26.88,142.75 arc(26.8,142.76) 26.74,142.81 arc(26.69,142.88) 26.67,142.96 USB1.7 ; 26.99,142.75 arc(27.12,142.69) 27.18,142.56 ; 27.18,142.56 27.18,140.34 arc(27.27,139.87) 27.54,139.48 27.85,139.16 arc(27.88,139.12) 27.89,139.06 arc(27.88,139.01) 27.85,138.96
  Bottom w0.2: J5.2 27.39,136.75 arc(27.36,136.93) 27.25,137.09 arc(27.15,137.24) 27.12,137.42 27.12,137.59 arc(27.14,137.72) 27.22,137.83 v1(27.32,137.93) ; 59.23,37.81 U1.32 59.25,36.75 arc(59.25,36.73) 59.24,36.72 arc(59.23,36.7) 59.22,36.69 59.22,36.65 arc(59.24,36.6) 59.26,36.56 60.5,35.33 arc(60.61,35.25) 60.74,35.23 v1(60.88,35.23)
DBG BP: length 168
  Top w0.178: v1(59.18,44.07) 59.48,44.37 59.48,54.06 58.67,54.86 57.66,54.86 v1(57.02,54.23)
  Top w0.254: v1(64.77,52.45) v1(62.86,52.45) ; v1(93.47,53.72) 92.58,54.61 v1(92.58,64.01) ; J2.7 112.27,119.13 112.27,92.2 v1(103,82.93) ; v1(46.23,50.8) 43.94,48.51 v1(40.89,48.51) ; v1(87.76,48.01) v1(80.01,48.01)
  Bottom w0.178: v1(59.18,44.07) 59.18,44.16 59.75,44.72 U1.6
  Bottom w0.254: v1(64.77,52.45) 69.21,48.01 v1(80.01,48.01) ; 39.82,48.51 v1(40.89,48.51) ; v1(62.86,52.45) 58.8,52.45 v1(57.02,54.23) 49.66,54.23 v1(46.23,50.8) ; v1(93.47,53.72) v1(87.76,48.01) ; v1(103,82.93) 92.58,72.52 v1(92.58,64.01)
  Bottom w0.635: C22.1 39.69,53.59 R26.2 39.75,51.56 SW2.2
  Bottom w0.889: SW2.2 SW2.2
DBG IO0: length 133.5
  Top w0.178: v1(58.93,43.18) 58.49,42.75 56.75,42.75 50.93,48.57 v1(50.93,50.67)
  Top w0.254: v1(98.04,119.13) 92.46,119.13 75.95,102.62 v1(71.63,102.62) ; v1(52.83,50.8) 52.81,50.82 52.81,58.67 55.45,61.31 55.45,69.06 57.89,71.5 57.89,74.4 v1(58.55,75.06)
  Bottom w0.178: U1.43 57.97,42.25 58.9,43.18 v1(58.93,43.18)
  Bottom w0.254: v1(52.83,50.8) 52.7,50.67 v1(50.93,50.67) ; v1(98.04,119.13) J2.9 ; v1(71.63,102.62) 71.63,93.6 65.28,87.25 65.28,76.33 64.01,75.06 v1(58.55,75.06)
DBG IO1: length 124.8
  Top w0.178: v1(61.53,41.08) 62.67,41.08 64.13,42.54 64.13,42.8 65.15,43.81 69.72,43.81 72.26,46.35 100.33,46.35 114.68,60.71 114.68,113.92 J2.10
  Bottom w0.2: U1.41 57.4,41.25 58.17,42.02 60.59,42.02 v1(61.53,41.08)
DBG LED: length 131.1
  Top w0.178: v1(92.71,45.09) 111.89,45.09 116.2,49.4 v1(116.2,61.98) ; J2.8 113.54,117.86 113.54,87.31 113.43,87.2 113.43,86.79 113.54,86.68 113.54,78.04 113.43,77.93 113.43,77.52 113.54,77.41 v1(113.54,64.64)
  Bottom w0.178: v1(113.54,64.64) R6.2 116.25,62.02 v1(116.2,61.98) ; U1.15 67.63,43.75 68.96,45.09 v1(92.71,45.09)
DBG RX: length 130
  Top w0.178: v1(58.02,43.89) 57.87,43.74 57.09,43.74 53.34,47.5 v1(53.34,51.69)
  Top w0.254: v1(56.51,70.87) 54.48,68.83 54.48,64.9 51.69,62.1 v1(51.69,51.69) ; J2.3 89.66,106.68 v1(89.66,94.61) ; v1(63.5,71.12) 64.77,71.12 v1(69.72,76.07)
  Bottom w0.178: U1.45 57.09,43.25 57.66,43.81 57.94,43.81 v1(58.02,43.89)
  Bottom w0.254: v1(69.72,76.07) 74.93,81.28 76.33,81.28 v1(89.66,94.61) ; v1(53.34,51.69) v1(51.69,51.69) ; v1(56.51,70.87) 63.25,70.87 v1(63.5,71.12)
DBG TX: length 120.5
  Top w0.178: v1(63.02,40.74) 65.82,43.54 70.33,43.54 72.52,45.72 v1(74.8,45.72)
  Top w0.254: v1(93.85,61.34) 93.85,72.14 v1(98.04,76.33) ; v1(110.74,117.47) 110.74,122.68 J2.5
  Bottom w0.178: U1.21 63.23,40.75 63.22,40.74 v1(63.02,40.74)
  Bottom w0.254: v1(110.74,117.47) 110.74,89.03 v1(98.04,76.33) ; v1(74.8,45.72) 82.17,45.72 93.85,57.4 v1(93.85,61.34)
Mute0Led: length 52.8
  Top w0.178: v1(57.15,39.75) 57.15,40.39 52.7,44.83 v1(47.88,44.83) ; v1(26.8,24.64) 27.81,25.65 27.81,34.8 29.34,36.32 43.43,36.32 v1(43.81,36.7)
  Bottom w0.178: v1(47.88,44.83) 44.2,41.15 44.2,37.08 v1(43.81,36.7) ; v1(57.15,39.75) 56.67,39.75 56.67,39.75 U1.38
  Bottom w0.203: 25.72,24.64 v1(26.8,24.64)
  Bottom w0.762: R11.1 R10.2
Mute1Led: length 56.5
  Top w0.178: v1(59.78,40.45) 59.72,40.51 57.53,40.51 52.58,45.47 47.5,45.47 44.7,42.67 44.7,36.58 43.94,35.81 30.48,35.81 29.59,34.93 29.59,25.65 v1(30.61,24.64)
  Bottom w0.178: v1(59.78,40.45) 60.75,39.48 U1.29
  Bottom w0.203: 29.53,24.64 v1(30.61,24.64)
  Bottom w0.762: R13.1 R12.2
Mute2Led: length 54.4
  Top w0.178: v1(91.95,39.88) 94.49,37.34 94.49,28.7 v1(92.96,27.18) ; v1(61.25,39.88) 62.99,39.88 63.51,40.4 63.51,40.65 66.04,43.18 88.01,43.18 88.52,43.69 v1(90.42,43.69)
  Bottom w0.178: v1(61.25,39.88) U1.28 ; v1(90.42,43.69) 90.42,41.4 v1(91.95,39.88)
  Bottom w0.203: 91.88,27.18 v1(92.96,27.18)
  Bottom w0.762: R15.1 R14.2
Mute3Led: length 49.3
  Top w0.178: v1(97.79,27.18) 97.79,37.72 94.23,41.28 v1(69.85,41.28)
  Bottom w0.178: 64.19,41.28 U1.20 66.25,41.25 66.26,41.25 69.69,41.25 69.72,41.28 v1(69.85,41.28)
  Bottom w0.203: 95.69,27.18 v1(97.79,27.18)
  Bottom w0.762: R17.1 R16.2
Mute4Led: length 65
  Top w0.178: v1(110.11,24.76) 110.11,38.86 106.07,42.9 66.46,42.9 v1(65.66,42.1)
  Bottom w0.178: v1(65.66,42.1) 65.6,42.1 65.24,41.75 U1.19
  Bottom w0.203: 111.38,24.76 v1(110.11,24.76)
  Bottom w0.762: R19.1 R18.2
